# Altium PCB POWER_SUPPLY_20-100V(Relay).PcbDoc
Units mm, origin at the board's own origin, x right, y up, seen from the top; angles counter-clockwise.
Board outline 91 x 55.02 mm, 2 copper layers (Top Layer, Bottom Layer), stack 1.071 mm thick; 87 components, 35 nets, 197 pads, 24 vias.
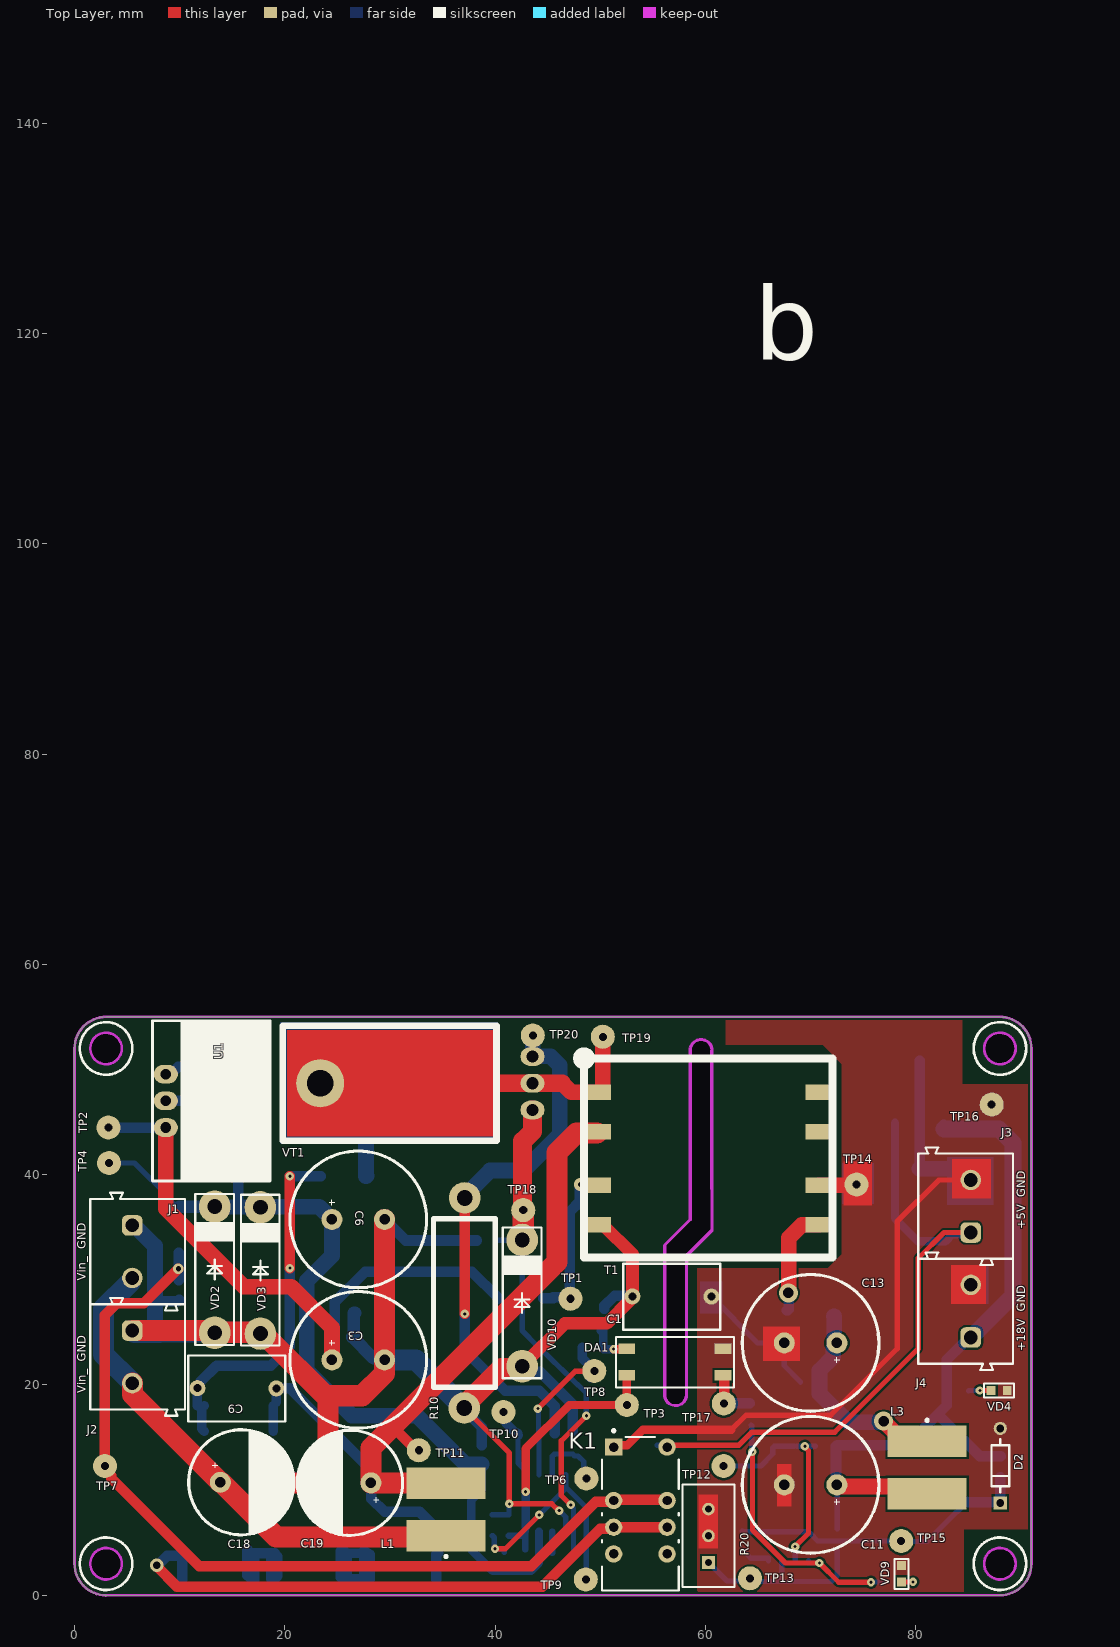
[diagram p0: Top Layer view]
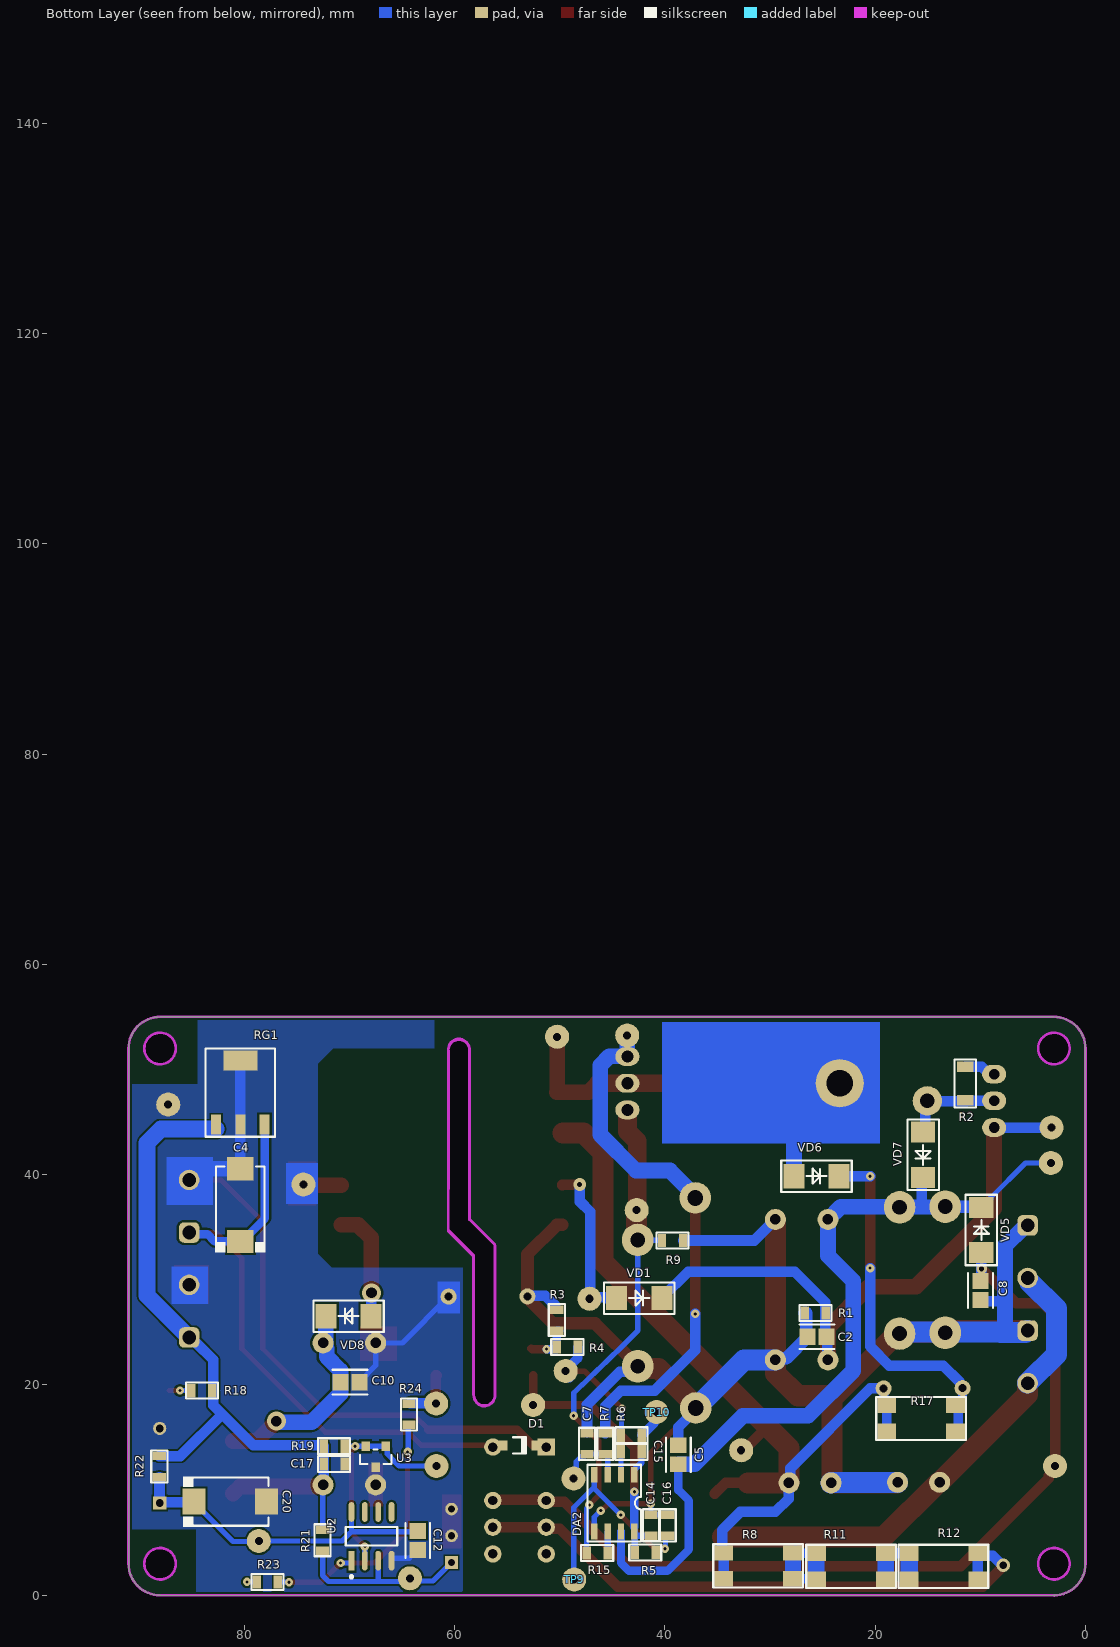
[diagram p1: Bottom Layer view, seen from below]
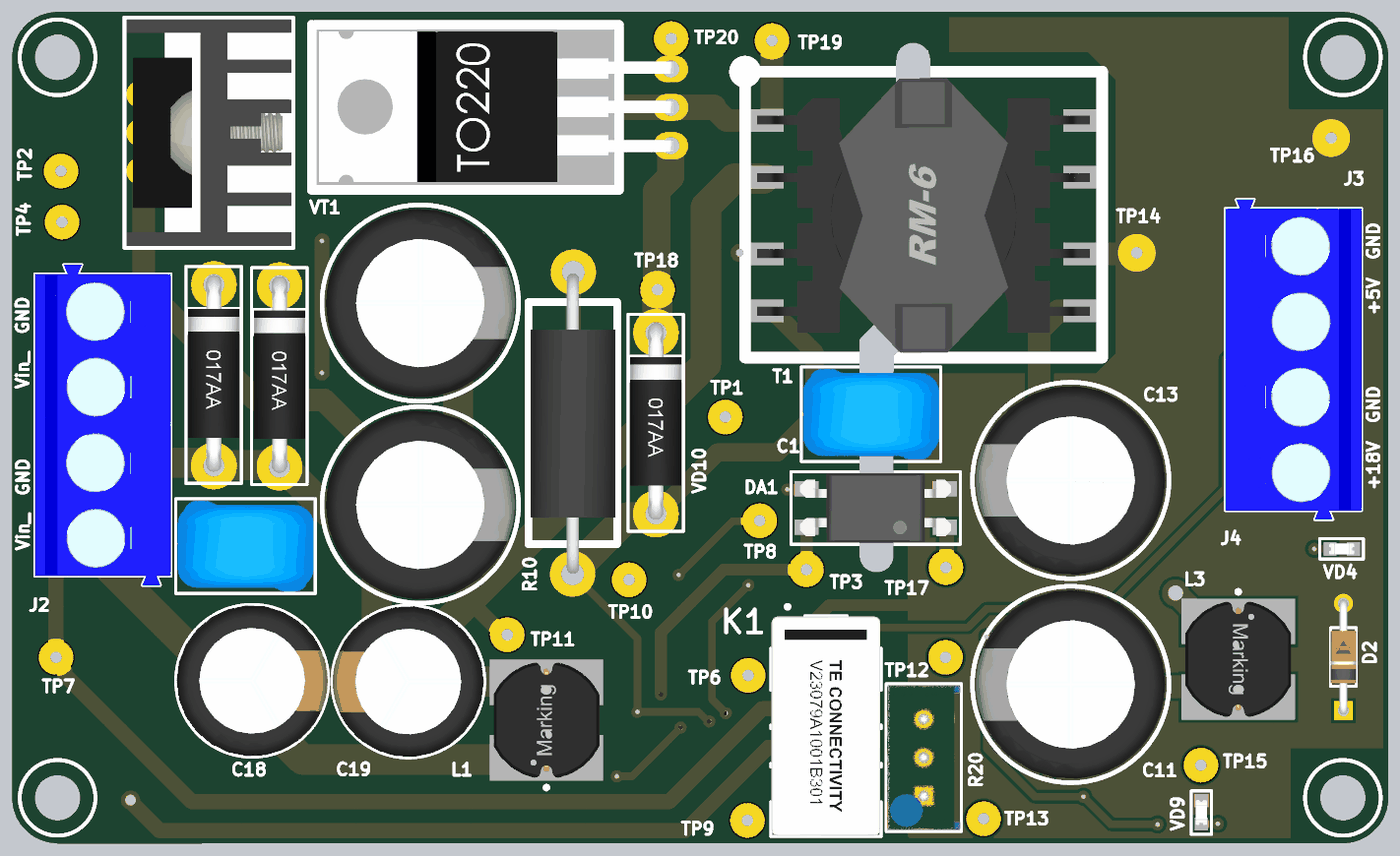
[diagram p2: 3D render of the assembled board from above, using the file's embedded part models]
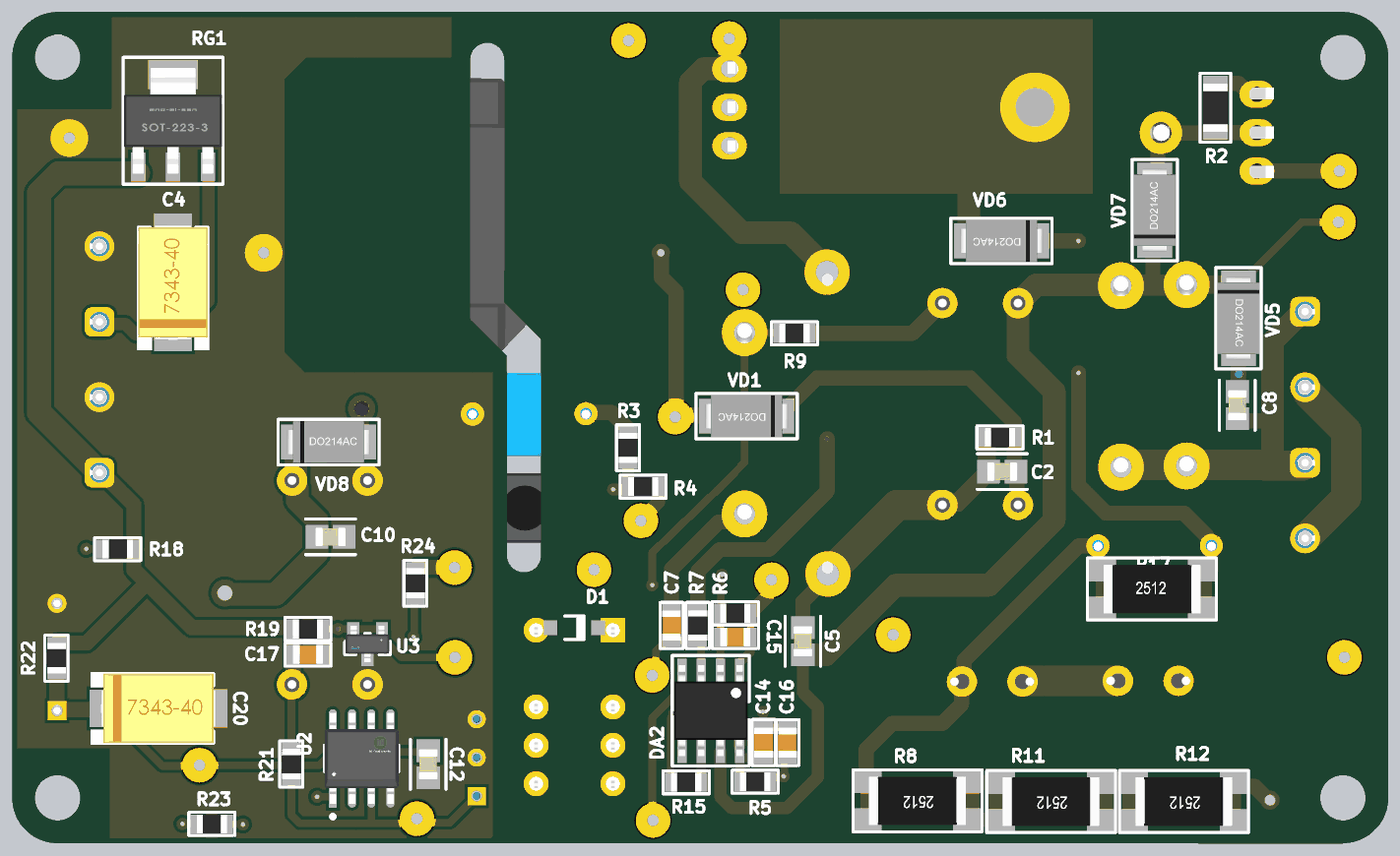
[diagram p3: 3D render of the assembled board from below, using the file's embedded part models]

## Layer stack, top to bottom
Top Solder: solder mask 0.0102, Solder Resist, Dk 3.5
Top Layer: signal copper 0.0356
Dielectric 1: dielectric 1, FR-4, Dk 4.8
Bottom Layer: signal copper 0.0356
Bottom Solder: solder mask 0.0102, Solder Resist, Dk 3.5

## Board outline
0,3 ccw(c3,3) 3,0 2.986,-0.022 88.036,-0.002 88,0 ccw(c88,3) 91,3 91,52 ccw(c88,52) 88,55 3,55 ccw(c3,52) 0,52
cut-out: 56.032,19.044 56.032,33.299 56.069,33.389 58.458,35.778 58.458,37.893 58.455,37.92 58.455,51.82 58.458,51.847 cw(c59.585,51.84) 60.713,51.84 60.708,51.772 60.708,41.303 60.713,41.269 60.713,34.728 60.675,34.638 58.299,32.261 58.292,30.819 58.292,19.046 58.286,19.007 cw(c57.159,19.044)
cut-out: 86.5,52 ccw(c88,52) 88,50.5 ccw(c88,52) 89.5,52 ccw(c88,52) 88,53.5 ccw(c88,52)
cut-out: 86.5,3 ccw(c88,3) 88,1.5 ccw(c88,3) 89.5,3 ccw(c88,3) 88,4.5 ccw(c88,3)
cut-out: 1.5,3 ccw(c3,3) 3,1.5 ccw(c3,3) 4.5,3 ccw(c3,3) 3,4.5 ccw(c3,3)
cut-out: 1.5,52 ccw(c3,52) 3,50.5 ccw(c3,52) 4.5,52 ccw(c3,52) 3,53.5 ccw(c3,52)

## Design rules (kind name [scope] priority, off if disabled: settings)
Clearance [All] p1: gap=0.2 ignorepadtopadclearanceinfootprint=FALSE
ComponentClearance [All] p1: gap=0 collisioncheckmode=3 verticalgap=0 showdistances=FALSE
DiffPairsRouting [All] p1: maxlimit=0.254 minlimit=0.254 mostfreqgap=0.254 substack1={A23D90DD-733B-49C5-8102-56B3D284E3A0} toplayer_{a23d90dd-733b-49c5-8102-56b3d284e3a0}_minwidth=0.381 toplayer_{a23d90dd-733b-49c5-8102-56b3d284e3a0}_maxwidth=0.381 toplayer_{a23d90dd-733b-49c5-8102-56b3d284e3a0}_prefwidth=0.381 bottomlayer_{a23d90dd-733b-49c5-8102-56b3d284e3a0}_minwidth=0.381 bottomlayer_{a23d90dd-733b-49c5-8102-56b3d284e3a0}_maxwidth=0.381 bottomlayer_{a23d90dd-733b-49c5-8102-56b3d284e3a0}_prefwidth=0.381 toplayer_minwidth=0.381 toplayer_maxwidth=0.381 toplayer_prefwidth=0.381 bottomlayer_minwidth=0.381 bottomlayer_maxwidth=0.381 bottomlayer_prefwidth=0.381 substack2={0B3DB408-A969-412D-8C07-BA8AE97219D9} toplayer_{0b3db408-a969-412d-8c07-ba8ae97219d9}_minwidth=0.381 toplayer_{0b3db408-a969-412d-8c07-ba8ae97219d9}_maxwidth=0.381 toplayer_{0b3db408-a969-412d-8c07-ba8ae97219d9}_prefwidth=0.381 bottomlayer_{0b3db408-a969-412d-8c07-ba8ae97219d9}_minwidth=0.381 bottomlayer_{0b3db408-a969-412d-8c07-ba8ae97219d9}_maxwidth=0.381 bottomlayer_{0b3db408-a969-412d-8c07-ba8ae97219d9}_prefwidth=0.381 substack3={378827E6-B38F-4565-9D2F-710D8D441C30} toplayer_{378827e6-b38f-4565-9d2f-710d8d441c30}_minwidth=0.381 toplayer_{378827e6-b38f-4565-9d2f-710d8d441c30}_maxwidth=0.381 toplayer_{378827e6-b38f-4565-9d2f-710d8d441c30}_prefwidth=0.381 bottomlayer_{378827e6-b38f-4565-9d2f-710d8d441c30}_minwidth=0.381 bottomlayer_{378827e6-b38f-4565-9d2f-710d8d441c30}_maxwidth=0.381 bottomlayer_{378827e6-b38f-4565-9d2f-710d8d441c30}_prefwidth=0.381 substack4={1E65D4A7-266F-4925-B814-5E9C4A66F8EE} toplayer_{1e65d4a7-266f-4925-b814-5e9c4a66f8ee}_minwidth=0.381 toplayer_{1e65d4a7-266f-4925-b814-5e9c4a66f8ee}_maxwidth=0.381 toplayer_{1e65d4a7-266f-4925-b814-5e9c4a66f8ee}_prefwidth=0.381 bottomlayer_{1e65d4a7-266f-4925-b814-5e9c4a66f8ee}_minwidth=0.381 bottomlayer_{1e65d4a7-266f-4925-b814-5e9c4a66f8ee}_maxwidth=0.381 bottomlayer_{1e65d4a7-266f-4925-b814-5e9c4a66f8ee}_prefwidth=0.381 substack5={93C5D03E-862D-45F8-9871-970EEA9B3F11} toplayer_{93c5d03e-862d-45f8-9871-970eea9b3f11}_minwidth=0.381 toplayer_{93c5d03e-862d-45f8-9871-970eea9b3f11}_maxwidth=0.381 toplayer_{93c5d03e-862d-45f8-9871-970eea9b3f11}_prefwidth=0.381 bottomlayer_{93c5d03e-862d-45f8-9871-970eea9b3f11}_minwidth=0.381 bottomlayer_{93c5d03e-862d-45f8-9871-970eea9b3f11}_maxwidth=0.381 bottomlayer_{93c5d03e-862d-45f8-9871-970eea9b3f11}_prefwidth=0.381 maxuncoupledlength=12.7
Height [All] p1: minheight=-1 maxheight=25.4 prefheight=12.7
HoleSize [All] p1: absolutevalues=TRUE maxlimit=6 minlimit=0.01 maxpercent=80.000 minpercent=20.000
HoleToHoleClearance [All] p1: gap=0.1 allowstackedmicrovias=TRUE
MinimumSolderMaskSliver [All] p1: minsoldermaskwidth=0.1
PlaneConnect [All] p1: pad.planeconnectstyle=Relief pad.reliefexpansion=0.5 pad.reliefentries=4 pad.reliefconductorwidth=0.5 pad.reliefairgap=0.15 via.planeconnectstyle=Direct via.reliefexpansion=0.5 via.reliefentries=4 via.reliefconductorwidth=0.5 via.reliefairgap=0.15
PolygonConnect VQFN20 [HasFootprint('VQFN20')] p1: connectstyle=Direct reliefconductorwidth=0.254 reliefentries=4 polygonreliefangle="90 Angle" airgapwidth=0.254
PolygonConnect [All] p2: connectstyle=Direct reliefconductorwidth=0.3 reliefentries=4 polygonreliefangle="90 Angle" airgapwidth=0.15
RoutingVias [All] p1: holewidth=0.1 width=0.1 viastyle="Through Hole" minholewidth=0 minwidth=0.3 maxholewidth=2 maxwidth=4
ShortCircuit [All] p1: allowed=TRUE
SilkToSolderMaskClearance [IsPad] p1: minsilkscreentomaskgap=0.1 clearancetoexposedcopper=TRUE
SolderMaskExpansion SolderMaskExpansion_Via [IsVia] p1: expansion=0.102 istentingtop=TRUE
SolderMaskExpansion [All] p2: expansion=0.01 istentingtop=FALSE
UnRoutedNet [All] p1: checkbadconnections=TRUE
Width [All] p1: maxlimit=5 minlimit=0.2 preferedwidth=0.3 substack1={A23D90DD-733B-49C5-8102-56B3D284E3A0} substack2={0B3DB408-A969-412D-8C07-BA8AE97219D9} substack3={378827E6-B38F-4565-9D2F-710D8D441C30} substack4={1E65D4A7-266F-4925-B814-5E9C4A66F8EE} substack5={93C5D03E-862D-45F8-9871-970EEA9B3F11}
20 further rules are at their usual default settings.

## Components (designator, comment, footprint, x,y, rotation, side; value= is the part's Value field where it differs from the comment)
C1 "CAP-NON-POLAR" CAP-V5 56.811,28.373 r0 top
C2 "50V 1uF" FP-C0805C-DN-IPC_A 25.527,24.587 r0 bottom value="0.22 μF"
C3 "1000uF_50V" CAPPOL-12x25 26.986,22.384 r0 top locked
C4 "CAP-POLAR" CAP-TAN-D 80.366,37.109 r90 bottom
C5 "50V 1uF" FP-C0805C-DN-IPC_A 38.71,13.36 r90 bottom value="0.22 μF"
C6 "CAP-POLAR" CAPPOL-12x25 26.986,35.738 r0 top locked
C7 "470pF" CAP-0805 47.397,14.406 r270 bottom
C8 "50V 1uF" FP-C0805C-DN-IPC_A 9.982,28.981 r270 bottom value="0.22 μF"
C9 "CAP-NON-POLAR" CAP-V5 15.443,19.644 r0 top locked
C10 "50V 1uF" FP-C0805C-DN-IPC_A 69.952,20.269 r180 bottom value="0.22 μF"
C11 "25V 2200uF" CAPPOL-12x25 70,10.5 r180 top locked
C12 "50V 1uF" FP-C0805C-DN-IPC_A 63.491,5.218 r270 bottom value="0.22 μF"
C13 "25V 2200uF" CAPPOL-12x25 70,24 r180 top locked
C14 "100nF 50V" CAP-0805 41.3,6.659 r270 bottom
C15 "10nF 50V" CAP-0805 43.18,13.644 r180 bottom
C16 "2.2nF 50V" CAP-0805 39.726,6.655 r270 bottom
C17 "1uF 50V" CAP-0805 71.446,12.487 r0 bottom
C18 "CAP-POLAR" CAPPOL-10x20 15.868,10.744 r0 top
C19 "CAP-POLAR" CAPPOL-10x20 26.194,10.693 r180 top
C20 "CAP-POLAR" CAP-TAN-D 81.331,8.915 r180 bottom
D1 "1N4148W-7-F" DIOD-SOD123-2_V 53.823,14.256 r180 bottom
D2 "BZX55B8V2-TAP" FP-SB-V-3906_04-031_4-MFG 88.036,12.319 r90 top
DA1 "PC817" 4-SMD 57.099,22.174 r180 top
DA2 "UC3842B" SOIC8-150 44.806,8.767 r270 bottom locked
J1 "691101710002" 691101710002 6,32.675 r270 top
J2 "691101710002" 691101710002 6,22.671 r270 top
J3 "691101710002" 691101710002 84.734,36.997 r90 top
J4 "691101710002" 691101710002 84.734,27.015 r90 top locked
K1 "F1CA005V" V23079-A1001-B301 53.815,7.744 r270 top
L1 "470µH, 0.36A" WE-PD2_7850 35.331,8.144 r90 top
L3 "470µH, 0.36A" WE-PD2_7850 81.077,12.167 r270 top
R1 "100K" RES-0805 25.679,26.848 r180 bottom
R2 "5 Ohm" RES-1206 11.43,48.666 r270 bottom
R3 "1k" RES-0805 50.274,26.162 r90 bottom
R4 "3.9K" RES-0805 49.274,23.597 r180 bottom
R5 "10K" RES-0805 41.863,4.069 r0 bottom
R6 "100K" RES-0805 43.18,15.215 r0 bottom
R7 "1K" RES-0805 45.669,14.406 r90 bottom
R8 "220Ω" RES-2512 31.144,2.804 r0 bottom
R9 "10K" RES-0805 39.268,33.738 r180 bottom
R10 "1.1 Ohm" RES-2W 37.084,27.686 r90 top locked
R11 "220Ω" RES-2512 22.305,2.751 r0 bottom
R12 "220Ω" RES-2512 13.517,2.751 r0 bottom
R15 "22 Ohm" RES-0805 46.431,4.029 r0 bottom
R17 "47K" RES-2512 15.621,16.815 r180 bottom
R18 "2.7K" RES-0805 84.023,19.456 r0 bottom
R19 "10K" RES-0805 71.446,14.173 r0 bottom
R20 "3296W-1-202LF" Bourns_3296W_MFG 60.281,5.659 r0 top
R21 "1k" RES-0805 72.542,5.235 r90 bottom
R22 "1k" RES-0805 88.074,12.243 r90 bottom
R23 "1K" RES-0805 77.8,1.274 r0 bottom locked
R24 "1K" RES-0805 64.338,17.2 r270 bottom
RG1 "LM7805CT" SOT-223-3 80.366,47.803 r180 bottom
T1 "RM6" TRANS_RM6 60.274,41.529 r0 top
TP1 "Test_Point_PCB" Test_Point#1 47.158,28.198 r0 top
TP2 "Test_Point_PCB" Test_Point#1 3.226,44.475 r180 top
TP3 "Test_Point_PCB" Test_Point#1 52.524,18.098 r180 top
TP4 "Test_Point_PCB" Test_Point#1 3.293,41.097 r180 top
TP6 "Test_Point_PCB" Test_Point#1 48.674,11.1 r270 top
TP7 "Test_Point_PCB" Test_Point#1 2.896,12.294 r0 top
TP8 "Test_Point_PCB" Test_Point#1 49.428,21.336 r0 top
TP9 "Test_Point_PCB" Test_Point#1 48.62,1.504 r180 bottom
TP10 "Test_Point_PCB" Test_Point#1 40.792,17.428 r90 bottom
TP11 "Test_Point_PCB" Test_Point#1 32.741,13.792 r0 top
TP12 "Test_Point_PCB" Test_Point#1 61.722,12.294 r0 top
TP13 "Test_Point_PCB" Test_Point#1 64.237,1.614 r0 top
TP14 "Test_Point_PCB" Test_Point#2 74.371,39.065 r0 top
TP15 "Test_Point_PCB" Test_Point#1 78.613,5.159 r90 top
TP16 "Test_Point_PCB" Test_Point#2 87.224,46.66 r0 top
TP17 "Test_Point_PCB" Test_Point#1 61.747,18.236 r0 top
TP18 "Test_Point_PCB" Test_Point#1 42.674,36.624 r90 top
TP19 "Test_Point_PCB" Test_Point#1 50.241,53.111 r90 top
TP20 "Test_Point_PCB" Test_Point#1 43.58,53.238 r90 top
U1 "LM317TG" TO-220_Bended_Rad 11.735,46.507 r270 top
U2 "LM358DR2G" FP-751-07-IPC_C 67.894,5.609 r90 bottom
U3 "TL431" TL431_SOT-23-3(MGF) 67.503,13.173 r270 bottom locked
VD1 "DIODE" "DO-214AC, SMA" 42.437,28.256 r0 bottom
VD2 "ZENER" DO-017AA 13.335,30.963 r270 top
VD3 "ZENER" DO-017AA 17.678,30.886 r270 top
VD4 "LED" LED-0603 87.926,19.474 r180 top
VD5 "DIODE" "DO-214AC, SMA" 9.906,34.738 r270 bottom
VD6 "DIODE" "DO-214AC, SMA" 25.578,39.853 r0 bottom
VD7 "DIODE" "DO-214AC, SMA" 15.443,41.885 r90 bottom
VD8 "DIODE" "DO-214AC, SMA" 70.079,26.543 r180 bottom
VD9 "LED" LED-0603 78.644,2.036 r270 top
VD10 "ZENER 15V" DO-017AA 42.57,27.788 r270 top
VT1 "MOSFET-N-GDS" TO-220(bend2) 32.381,48.438 r90 top

## Footprints (in the part's own frame and the unit in brackets; to place one, negate y for a bottom-side part, rotate by r counter-clockwise, add the part's x,y. Pads: shape width x height; smd on the part's side, far side on the other; paste and mask are expansions set on the pad)
4-SMD [mm]
  rect 1.6x1 smd: 1(-4.575,1.27) 2(-4.575,-1.27) 3(4.575,-1.27) 4(4.575,1.27)
  silkscreen extent -5.6,-2.4 5.6,2.4, body extent -5,-2.29 5,2.29, height 3.85
691101710002 [mm] "5,00mm - modular - blue - Horizontal entry with pressure clamp - 12,6mm height - 02p"
  rrect50% 1.95x1.95 hole 1.3: 1(-2.5,-0.5)
  round 1.95 hole 1.3: 2(2.5,-0.5)
  silkscreen extent -5.6,-4.5 5.6,4.5, body extent -5.6,-4.5 5.6,4.5, height 12.65
Bourns_3296W_MFG [mm]
  rect 1.2x1.2 hole 0.7 paste-1000 mask+0: 1(0.005,-2.54)
  round 1.2 hole 0.7 paste-1000 mask+0: 2(0.005,0) 3(0.005,2.54)
  silkscreen extent -2.48,-4.89 2.48,4.89, body extent -2.58,-4.99 2.58,4.99, height 0.25
CAP-0805 [mm]
  rect 0.8x1.25 smd mask+0.015: 1(-1,0) 2(1,0)
  silkscreen extent -1.52,-0.76 1.52,0.76, body extent -1,-0.62 1,0.63, height 0.8
CAP-TAN-D [mm]
  rect 2.2x2.5 smd: 1(-3.45,0) 2(3.45,0)
  silkscreen extent -4.5,-2.4 3.65,2.4, body extent -3.8,-2.3 3.8,2.3, height 4
CAP-V5 [mil]
  round 60 hole 30: 1(-147.64,1.97) 2(147.64,0.98)
  silkscreen extent -182,-123 181,124, body extent -177,-118 177,118, height 630
CAPPOL-10x20 [mm]
  round 2 hole 1: 1(-2,0) 2(2,0)
  silkscreen extent -5,-5 5,5, body extent -5,-5 5,5, height 20
CAPPOL-12x25 [mm]
  round 2 hole 1: 1(-2.5,0) 2(2.5,0)
  silkscreen extent -6.5,-6.5 6.5,6.5, body extent -6.25,-6.25 6.25,6.25, height 25
DIOD-SOD123-2_V [mm] "SOD123, 2-Leads, Body 2.7x1.55mm, Height 1.45mm"
  rect 0.9x0.95 smd: 1(-1.575,0) 2(1.575,0)
  silkscreen extent -0.64,-0.83 0.64,0.77, body extent -1.35,-0.77 1.35,0.77, height 1.45
DO-017AA [mm]
  oval 3.1x3 hole 1.4: 1(-6,0) 2(6,0)
  silkscreen extent -7.2,-1.85 7.15,1.83, body extent -6.63,-1.7 6.37,1.7, height 3.4
"DO-214AC, SMA" [mm]
  rect 2x2.3 smd: 1(-2.15,0) 2(2.15,0)
  silkscreen extent -3.35,-1.5 3.35,1.5, body extent -2.74,-1.4 2.74,1.4, height 2.24
FP-751-07-IPC_C [mm]
  rect 1.874x0.543 smd paste+0 mask+0: 1(-2.316,1.905)
  rrect100% 1.874x0.543 smd paste+0 mask+0: 2(-2.316,0.635) 3(-2.316,-0.635) 4(-2.316,-1.905) 5(2.316,-1.905) 6(2.316,-0.635) 7(2.316,0.635) 8(2.316,1.905)
  silkscreen extent -3.98,-2.45 0.88,2.45, body extent -3,-2.45 3,2.45, height 1.75
FP-C0805C-DN-IPC_A [mm]
  rect 1.505x1.556 smd paste+0 mask+0: 1(-0.901,0) 2(0.901,0)
  silkscreen extent -1.65,-1.18 1.65,1.18, body extent -1,-0.63 1,0.63, height 0.88
FP-SB-V-3906_04-031_4-MFG [mm]
  rect 1.25x1.25 hole 0.75 paste-1000 mask+0: 1(-3.55,0)
  round 1.25 hole 0.75 paste-1000 mask+0: 2(3.55,0)
  silkscreen extent -2.52,-0.85 2.52,0.85, body extent -4.28,-0.95 4.28,0.95, height 0.25